# Altium PCB EPROM Emulator NG 2.PcbDoc (part 2 of 2)
Units mm, origin at the board's own origin, x right, y up, seen from the top; angles counter-clockwise.
Board outline 68.07 x 37.39 mm, 2 copper layers (Top Layer, Bottom Layer), stack 1.569 mm thick; 55 components, 111 nets, 358 pads, 137 vias.
Unrouted connection lines stored in the file: 1.
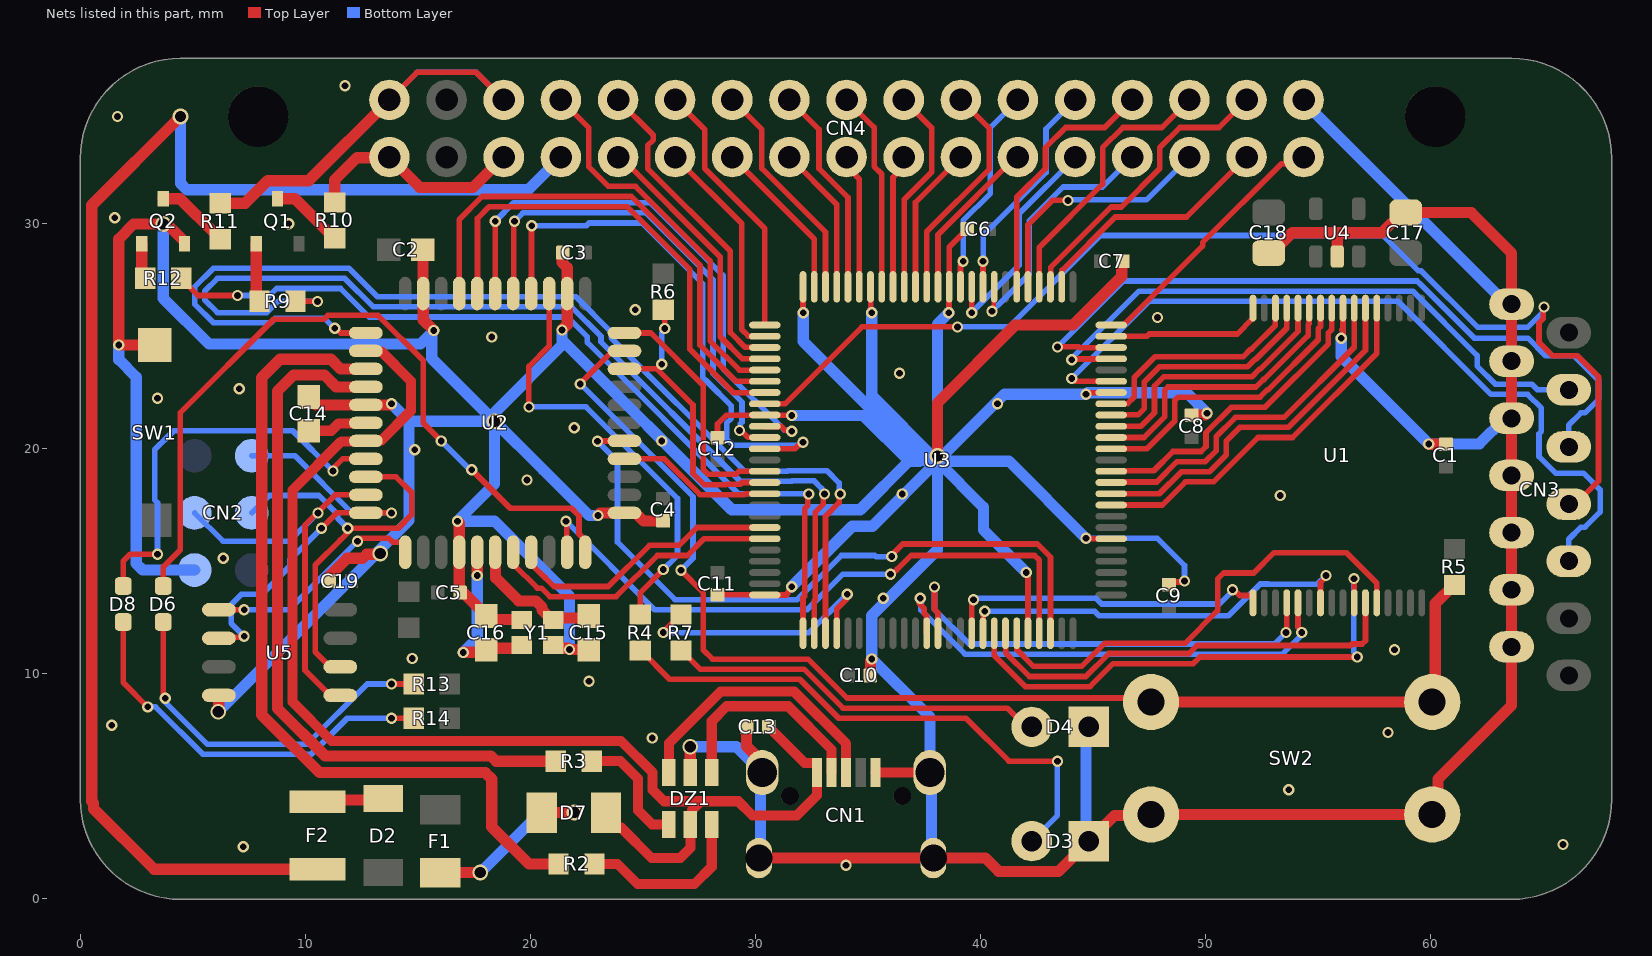
[diagram p2: the nets of this part, all layers, seen from the top]

## Via types
v1: diameter 0.5, hole 0.3, Top Layer to Bottom Layer, tented both sides, 121 vias
v2: diameter 0.7, hole 0.5, Top Layer to Bottom Layer, tented both sides, 16 vias

## Nets (pads, with @x,y where several pads share a name; then routed paths per layer and width w, separated by ;. In a path a pad name is that pad's centre, name@x,y a point inside that pad or via, vN(x,y) a via of type N, cw(c..) or ccw(c..) an arc to the next point about the centre after c; other vN are vias at no path point) (continued)
BUFF_E\_\R\E\S\E\T\: CN4.2 CN4.6 R11.2 | length 21.6
  Top Layer w0.25: CN4.2@13.741,35.492 14.966,36.717 17.596,36.717 CN4.6@18.821,35.492
  Top Layer w0.5: R11.2@6.223,30.899 7.327,30.899 8.327,31.899 10.148,31.899 CN4.2@13.741,35.492
  Bottom Layer w0.25: CN4.2@13.741,35.492 14.966,36.717 17.596,36.717 CN4.6@18.821,35.492
BUFF_E_RESET: CN4.1 CN4.5 R10.2 | length 10.1
  Top Layer w0.5: R10.2@11.303,30.937 11.303,31.937 12.291,32.925 13.715,32.925 CN4.1@13.741,32.952 15.091,31.602 17.454,31.602 18.804,32.952 CN4.5@18.821,32.952
CPLD_E\N\A\B\L\E\: R6.1 U2.31 U3.90 | length 13
  Top Layer w0.25: U2.31@24.19,23.533 25.636,23.533 ; v1(25.849,23.746) 25.636,23.533 ; R6.1@25.908,26.162 25.975,26.095 v1(25.975,25.333) ; U3.90@30.425,18.482 29.413,18.482 29.338,18.407 28.702,18.407 28.687,18.392 27.731,18.392 27.236,18.887 27.236,21.933 25.636,23.533
  Bottom Layer w0.25: v1(25.849,23.746) 25.849,25.14 25.975,25.266 v1(25.975,25.333)
D0: U1.21 U3.34 | length 16.6
  Top Layer w0.25: U3.34@45.825,17.482 48.1,17.482 49.13,18.512 50.38,18.512 52.351,20.482 53.886,20.482 57.63,24.226 U1.21@57.63,26.235
D1: U1.22 U3.35 | length 16.2
  Top Layer w0.25: U3.35@45.825,17.982 47.964,17.982 48.943,18.962 50.194,18.962 50.938,19.705 50.938,20.211 50.938,20.33 51.54,20.932 53.699,20.932 57.13,24.363 U1.22@57.13,26.235
D2: U1.23 U3.36 | length 15.4
  Top Layer w0.25: U3.36@45.825,18.482 46.389,18.482 46.414,18.507 47.852,18.507 48.757,19.412 50.008,19.412 50.488,19.892 50.488,20.397 50.488,20.516 51.354,21.382 53.513,21.382 56.63,24.499 U1.23@56.63,26.235
D3: U1.25 U3.37 | length 14
  Top Layer w0.25: U3.37@45.825,18.982 45.835,18.991 46.42,18.991 46.436,19.007 47.716,19.007 48.57,19.861 49.06,19.861 49.821,19.861 50.038,20.078 50.038,20.584 50.038,20.702 51.167,21.832 52.667,21.832 55.48,24.645 55.48,25.13 55.63,25.28 U1.25@55.63,26.235
D4: U1.26 U3.39 | length 13.2
  Top Layer w0.25: U3.39@45.825,19.982 47.418,19.982 48.65,21.214 48.65,22.135 48.797,22.282 52.445,22.282 52.777,22.614 52.813,22.614 55.03,24.831 55.03,25.317 55.13,25.417 U1.26@55.13,26.235
D5: U1.27 U3.40 | length 12.6
  Top Layer w0.25: U3.40@45.825,20.482 47.282,20.482 48.2,21.401 48.2,22.585 48.347,22.732 52.259,22.732 52.591,23.064 52.626,23.064 54.58,25.018 54.58,25.503 54.62,25.543 54.62,26.225 U1.27@54.63,26.235
D6: U1.28 U3.41 | length 11.8
  Top Layer w0.25: U3.41@45.825,20.982 47.145,20.982 47.75,21.587 47.75,22.776 48.156,23.182 52.072,23.182 52.405,23.514 52.44,23.514 54.13,25.204 U1.28@54.13,26.235
D7: U1.29 U3.42 | length 11
  Top Layer w0.25: U3.42@45.825,21.482 45.835,21.491 47.018,21.491 47.3,21.773 47.3,22.962 47.97,23.632 51.886,23.632 52.218,23.964 52.254,23.964 53.63,25.34 U1.29@53.63,26.235
D+: R3.2 U2.4 | length 31.9
  Top Layer w0.5: U2.4@12.69,22.733 11.375,22.733 10.846,23.261 9.474,23.261 8.762,22.549 8.762,8.445 10.885,6.321 18.252,6.321 18.477,6.096 R3.2@21.133,6.096
D-: R2.2 U2.3 | length 37.3
  Top Layer w0.5: U2.3@12.69,23.533 11.565,23.533 11.136,23.961 8.874,23.961 8.062,23.149 8.062,8.155 10.628,5.588 17.995,5.588 18.288,5.295 18.288,3.175 19.939,1.524 R2.2@21.26,1.524
DATA: U2.19 U3.94 | length 12.4
  Top Layer w0.25: U2.19@20.04,15.383 20.04,14.859 20.664,14.236 20.681,14.236 21.059,13.858 23.466,13.858 25.298,15.69 26.612,15.69 27.404,16.482 U3.94@30.425,16.482
DATA_LOAD: U2.27 U3.23 | length 31.1
  Top Layer w0.25: v1(22.987,20.32) 22.993,20.326 24.184,20.326 U2.27@24.19,20.333 ; v1(36.068,15.189) 36.068,15.257 36.56,15.748 42.545,15.748 43.125,15.168 U3.23@43.125,11.782
  Bottom Layer w0.25: v1(22.987,20.32) 23.876,19.431 23.876,15.836 26.435,13.277 31.87,13.277 33.833,15.24 35.318,15.24 35.369,15.189 v1(36.068,15.189)
E\_\\R\E\S\E\T\: R9.2 U3.2 | length 45.2
  Top Layer w0.25: R9.2@9.563,26.543 9.572,26.534 v1(10.541,26.534) ; U3.2@32.625,11.782 32.625,13.222 32.675,13.272 32.675,17.168 33.032,17.525 33.032,17.924 v1(33.08,17.972)
  Bottom Layer w0.25: v1(10.541,26.534) 10.532,26.543 8.793,26.543 8.285,26.035 6.097,26.035 5.53,26.602 5.53,26.992 6.097,27.559 11.754,27.559 13.024,26.289 21.84,26.289 23.145,24.984 23.145,24.734 29.337,18.542 31.623,18.542 31.638,18.557 32.623,18.557 32.955,18.225 32.955,18.165 33.08,18.04 v1(33.08,17.972)
E_A0: CN4.26 U3.59 | length 10
  Top Layer w0.25: U3.59@40.125,27.182 40.129,27.185 40.129,28.318 v1(40.132,28.321)
  Bottom Layer w0.25: v1(40.132,28.321) 40.132,29.464 42.926,32.258 42.926,34.197 CN4.26@44.221,35.492
E_A1: CN4.24 U3.61 | length 9.4
  Top Layer w0.25: U3.61@39.125,27.182 39.125,28.136 39.243,28.253 v1(39.243,28.321)
  Bottom Layer w0.25: v1(39.243,28.321) 39.243,30.125 40.456,31.338 40.456,34.267 CN4.24@41.681,35.492
E_A2: CN4.22 U3.64 | length 10
  Top Layer w0.25: U3.64@37.625,27.182 37.625,29.637 40.411,32.422 40.411,34.223 CN4.22@39.141,35.492
E_A3: CN4.20 U3.66 | length 9.3
  Top Layer w0.25: CN4.20@36.601,35.492 37.846,34.247 37.846,32.293 36.625,31.072 U3.66@36.625,27.182
E_A4: CN4.18 U3.68 | length 9
  Top Layer w0.25: CN4.18@34.061,35.492 35.286,34.267 35.286,32.535 35.625,32.196 U3.68@35.625,27.182
E_A5: CN4.16 U3.71 | length 9.4
  Top Layer w0.25: CN4.16@31.521,35.492 32.836,34.177 32.836,32.445 34.125,31.156 U3.71@34.125,27.182
E_A6: CN4.14 U3.73 | length 10
  Top Layer w0.25: CN4.14@28.981,35.492 30.296,34.177 30.296,32.91 30.296,32.445 33.125,29.616 U3.73@33.125,27.182
E_A7: CN4.12 U3.76 | length 11.7
  Top Layer w0.25: CN4.12@26.441,35.492 27.756,34.177 27.756,32.445 30.425,29.776 U3.76@30.425,25.482
E_A8: CN4.13 U3.74 | length 7.3
  Top Layer w0.25: CN4.13@28.981,32.952 32.625,29.308 U3.74@32.625,27.182
E_A9: CN4.15 U3.72 | length 6.6
  Top Layer w0.25: CN4.15@31.521,32.952 33.625,30.848 U3.72@33.625,27.182
E_A10: CN4.21 U3.65 | length 6.6
  Top Layer w0.25: U3.65@37.125,27.182 37.125,30.936 CN4.21@39.141,32.952
E_A11: CN4.17 U3.70 | length 6
  Top Layer w0.25: CN4.17@34.061,32.952 34.061,32.533 34.625,31.969 U3.70@34.625,27.182
E_A12: CN4.10 U3.78 | length 14.4
  Top Layer w0.25: CN4.10@23.901,35.492 25.472,33.922 25.472,33.715 25.216,33.459 25.216,32.445 28.898,28.763 28.898,25.151 29.558,24.491 30.416,24.491 U3.78@30.425,24.482
E_A13: CN4.11 U3.77 | length 10
  Top Layer w0.25: CN4.11@26.441,32.952 29.4,29.993 29.4,25.285 29.694,24.991 30.416,24.991 U3.77@30.425,24.982
E_A14: CN4.9 U3.79 | length 12.3
  Top Layer w0.25: CN4.9@23.901,32.952 24.012,32.952 28.448,28.516 28.448,24.965 29.431,23.982 U3.79@30.425,23.982
E_A15: CN4.8 U3.80 | length 17.1
  Top Layer w0.25: CN4.8@21.361,35.492 22.606,34.247 22.606,32.515 23.474,31.647 24.681,31.647 27.998,28.329 27.998,24.778 29.294,23.482 U3.80@30.425,23.482
E_C\S\: CN4.23 U3.63 | length 7.3
  Top Layer w0.25: U3.63@38.125,27.182 38.125,29.501 41.577,32.952 CN4.23@41.681,32.952
E_D0: CN4.28 U3.56 | length 11.5
  Top Layer w0.25: U3.56@41.625,27.182 41.625,31.164 42.906,32.445 42.906,33.369 43.804,34.267 45.536,34.267 CN4.28@46.761,35.492
E_D1: CN4.30 U3.54 | length 12.1
  Top Layer w0.25: U3.54@42.625,27.182 42.625,28.933 45.446,31.754 45.446,33.369 46.344,34.267 48.076,34.267 CN4.30@49.301,35.492
E_D2: CN4.32 U3.53 | length 13.2
  Top Layer w0.25: U3.53@43.125,27.182 43.135,27.191 43.135,28.05 45.82,30.734 46.276,30.734 47.986,32.445 47.986,33.369 48.884,34.267 50.616,34.267 CN4.32@51.841,35.492
E_D3: CN4.33 U3.50 | length 11.7
  Top Layer w0.25: U3.50@45.825,25.482 46.375,25.482 49.892,28.999 49.892,29.148 53.399,32.655 54.085,32.655 CN4.33@54.381,32.952
E_D4: CN4.31 U3.52 | length 11
  Top Layer w0.25: U3.52@43.625,27.182 43.635,27.191 43.635,27.913 46.006,30.284 49.174,30.284 CN4.31@51.841,32.952
E_D5: CN4.29 U3.55 | length 11.2
  Top Layer w0.25: U3.55@42.125,27.182 42.125,29.937 43.214,31.025 v1(43.905,31.025)
  Bottom Layer w0.25: v1(43.905,31.025) 43.928,31.048 47.397,31.048 CN4.29@49.301,32.952
E_D6: CN4.27 U3.58 | length 11.6
  Top Layer w0.2: v1(40.529,26.102) 40.529,26.183 40.607,26.262 40.607,27.164 U3.58@40.625,27.182
  Bottom Layer w0.25: v1(40.529,26.102) 40.992,26.565 42.189,27.762 42.189,30.122 43.689,31.623 45.432,31.623 CN4.27@46.761,32.952
E_D7: CN4.25 U3.60 | length 10
  Top Layer w0.25: v1(39.624,26.035) U3.60@39.625,27.181
  Bottom Layer w0.25: v1(39.624,26.035) 41.739,28.15 41.739,30.434 44.221,32.917 CN4.25@44.221,32.952
E_O\E\: CN4.19 U3.67 | length 6
  Top Layer w0.25: U3.67@36.125,27.182 36.125,32.057 36.601,32.533 CN4.19@36.601,32.952
E_RESET: R12.1 U3.1 | length 38.6
  Top Layer w0.25: R12.1@4.483,27.559 4.483,27.534 5.22,26.797 v1(6.985,26.797) ; U3.1@32.125,11.782 32.125,13.359 32.198,13.431 32.198,17.327 32.332,17.461 32.332,17.929 v1(32.38,17.977)
  Bottom Layer w0.25: v1(6.985,26.797) 8.41,26.797 8.722,27.109 11.568,27.109 12.838,25.839 21.654,25.839 22.537,24.956 22.537,24.706 29.261,17.982 32.375,17.982 v1(32.38,17.977)
E_VCC: CN4.7 F2.2 | length 64.1
  Top Layer w0.5: v2(4.445,34.752) 0.504,30.811 0.504,4.314 0.58,4.238 0.58,3.982 3.268,1.294 F2.2@10.541,1.294
  Bottom Layer w0.5: v2(4.445,34.752) 4.445,31.789 4.738,31.496 19.905,31.496 CN4.7@21.361,32.952
EN_A11: U2.41 U3.81 | length 22.8
  Top Layer w0.25: U2.41@16.84,26.883 16.84,30.175 17.862,31.197 24.494,31.197 27.548,28.143 27.548,24.592 29.158,22.982 U3.81@30.425,22.982
EN_A12: U2.40 U3.82 | length 21.8
  Top Layer w0.25: U2.40@17.64,26.883 17.653,26.895 17.653,30.226 18.174,30.747 24.308,30.747 27.098,27.957 27.098,24.405 29.022,22.482 U3.82@30.425,22.482
EN_A13: U2.39 U3.85 | length 24.7
  Top Layer w0.25: U2.39@18.44,26.883 v1(18.44,30.099) ; U3.85@30.425,20.982 30.435,20.972 31.157,20.972 31.318,20.811 31.575,20.811 v1(31.623,20.763)
  Bottom Layer w0.25: v1(18.44,30.099) 19.262,30.921 25.34,30.921 28.575,27.686 28.575,23.53 31.294,20.811 31.575,20.811 v1(31.623,20.763)
EN_A14: U2.38 U3.86 | length 22
  Top Layer w0.25: U2.38@19.24,26.883 19.272,26.915 19.272,30.067 v1(19.304,30.099) ; v1(29.304,20.799) 29.372,20.799 29.679,20.491 30.416,20.491 U3.86@30.425,20.482
  Bottom Layer w0.25: v1(19.304,30.099) 19.676,30.471 25.154,30.471 28.125,27.5 28.125,23.343 29.41,22.058 29.41,21.167 29.334,21.092 29.334,20.829 v1(29.304,20.799)
EN_A15: U2.37 U3.87 | length 24.7
  Top Layer w0.25: U2.37@20.04,26.883 20.053,26.896 20.053,29.883 v1(20.066,29.896) ; U3.87@30.425,19.982 31.764,19.982 32.053,20.271 v1(32.121,20.271)
  Bottom Layer w0.25: v1(20.066,29.896) 22.488,29.896 22.613,30.021 24.967,30.021 27.675,27.313 27.675,23.157 27.893,22.94 28.942,21.89 28.942,21.336 28.729,21.123 28.729,20.423 29.006,20.146 31.928,20.146 32.053,20.271 v1(32.121,20.271)
EN_RST: U2.18 U3.95 | length 13.4
  Top Layer w0.25: U2.18@19.24,15.383 19.24,14.859 20.314,13.786 20.495,13.786 20.873,13.408 23.818,13.408 25.65,15.24 26.988,15.24 27.73,15.982 U3.95@30.425,15.982
extPOWER: D2.2 F2.1 | length 3
  Top Layer w0.5: F2.1@10.541,4.294 10.614,4.367 13.389,4.367 D2.2@13.462,4.44
GND: C1.1 C2.1 C3.1 C4.1 C5.1 C6.1 C7.1 C8.1 C9.1 C10.1 C11.1 C12.1 C13.1 C14.2 C15.1 C16.1 C17.1 C18.1 C19.1 CN1.5 CN1.6 CN1.7 CN1.8 CN1.9 CN2.6 CN3.1 CN3.3 CN3.5 CN3.7 CN3.9 CN3.11 CN3.13 CN4.34 D3.1 D4.1 DZ1.2 Q2.2 SW1.1 SW2.1 SW2.2 U1.24 U2.5 U2.15 U2.23 U2.35 U2.43 U3.21 U3.31 U3.44 U3.62 U3.69 U3.75 U3.84 U3.100 U4.2 U5.4 Y1.2 Y1.4 | length 380.8
  Top Layer w0.25: C11.1@28.321,13.491 28.326,13.487 30.421,13.487 U3.100@30.425,13.482 31.389,13.482 31.45,13.543 31.45,13.612 31.623,13.784 v1(31.623,13.852) ; C12.1@28.321,20.472 28.321,21.082 28.721,21.482 U3.84@30.425,21.482 31.604,21.482 v1(31.623,21.463) ; U3.75@32.125,27.182 32.125,26.041 v1(32.131,26.035) ; U3.69@35.125,27.182 35.135,27.172 35.135,26.079 v1(35.179,26.035) ; v1(38.608,26.035) 38.617,26.044 38.617,27.173 U3.62@38.625,27.182 38.625,28.947 39.42,29.742 C6.1@39.42,29.752 ; v1(42.05,14.478) 42.05,14.41 42.125,14.335 U3.21@42.125,11.782 ; v1(44.704,16.002) 44.715,15.991 45.816,15.991 U3.31@45.825,15.982 ; v1(44.704,22.412) 44.772,22.412 44.841,22.482 U3.44@45.825,22.482 ; C9.1@48.387,13.945 48.501,14.058 49.034,14.058 v1(49.082,14.106) ; v1(56.055,24.892) 56.055,24.94 56.134,25.019 56.134,26.231 U1.24@56.13,26.235 56.13,25.323 56.08,25.273
  Top Layer w0.45: CN1.5@35.341,5.588 CN1.7@37.766,5.588
  Top Layer w0.5: SW1.1@3.302,24.601 v1(1.709,24.601) 1.709,29.312 2.37,29.972 v2(3.683,29.972) 3.721,29.934 3.898,29.934 4.633,29.199 Q2.2@4.633,29.099 ; v2(6.134,8.295) 6.145,8.307 6.145,9.005 U5.4@6.157,9.017 ; C14.2@10.16,22.286 10.16,22.261 10.488,21.933 13.777,21.933 v1(13.829,21.985) ; C19.1@11.062,14.097 11.112,14.147 11.112,14.377 11.847,15.113 12.547,15.113 12.723,15.289 13.297,15.289 v2(13.335,15.327) ; C2.1@15.216,28.829 15.231,28.814 15.231,26.892 U2.43@15.24,26.883 15.24,25.709 v1(15.712,25.237) ; v1(16.764,16.764) 16.84,16.688 U2.15@16.84,15.383 16.84,13.769 18.07,12.538 18.07,12.398 19.583,12.398 Y1.2@19.62,12.361 ; Y1.4@21.02,11.261 21.17,11.111 21.69,11.111 v1(21.74,11.061) C15.1@22.606,11.061 ; v1(21.415,25.264) 21.415,25.273 21.64,25.498 21.64,28.042 21.422,28.26 21.422,28.674 C3.1@21.45,28.702 ; v1(23.01,17.02) 23.114,17.123 24.181,17.123 U2.23@24.19,17.133 24.679,17.133 25.035,16.777 C4.1@25.908,16.777 ; DZ1.2@27.117,5.588 v2(27.117,6.731) ; C13.1@29.616,7.62 29.616,6.76 30.316,6.061 CN1.6@30.316,5.588 ; CN1.8@30.166,1.788 CN1.9@37.916,1.788 40.234,1.788 40.832,1.19 43.481,1.19 D3.1@44.831,2.54 45.967,3.676 47.551,3.676 SW2.2@47.598,3.723 SW2.1@60.098,3.723 60.351,3.976 60.351,5.298 63.627,8.574 CN3.13@63.627,11.176 CN3.11@63.627,13.716 CN3.9@63.627,16.256 CN3.7@63.627,18.796 CN3.5@63.627,21.336 CN3.3@63.627,23.876 CN3.1@63.627,26.416 63.627,28.691 61.827,30.491 C17.1@58.922,30.491 58.772,30.491 57.872,29.591 56.055,29.591 ; C10.1@35.116,9.906 35.125,9.915 35.125,10.575 35.182,10.632 v1(35.182,10.634) ; v2(38.1,19.657) 38.1,22.019 41.562,25.482 44.125,25.482 46.292,27.649 46.292,28.271 C7.1@46.342,28.321 ; C8.1@49.403,21.477 49.458,21.477 49.463,21.482 50.004,21.482 v1(50.085,21.562) ; C18.1@52.826,28.691 52.976,28.691 53.876,29.591 56.055,29.591 ; U4.2@55.874,28.531 55.874,29.41 56.055,29.591 ; v1(59.944,20.193) 59.957,20.18 C1.1@60.706,20.18
  Bottom Layer w0.25: v1(44.704,16.002) 47.879,16.002 49.082,14.799 v1(49.082,14.106)
  Bottom Layer w0.5: v1(1.709,24.601) 1.709,23.945 2.478,23.176 2.478,14.886 2.771,14.593 CN2.6@5.08,14.593 ; v2(3.683,29.972) 3.683,26.67 5.715,24.638 15.113,24.638 v1(15.712,25.237) ; v2(6.134,8.295) 13.127,15.289 13.297,15.289 v2(13.335,15.327) ; v2@13.237,15.425 14.605,16.792 14.605,21.209 ; v1(13.829,21.985) 14.605,21.209 ; v1@15.621,25.146 15.621,24.003 v2(18.415,21.209) ; v1(21.415,25.264) 21.415,24.813 ; v1(21.74,11.061) 21.74,13.439 18.415,16.764 v1(16.764,16.764) 18.415,18.415 v2(18.415,21.209) ; v1(23.01,17.02) 23.009,17.018 22.606,17.018 20.571,19.053 v2(18.415,21.209) ; v2(27.117,6.731) 29.173,6.731 29.859,6.045 29.877,6.045 30.316,5.606 CN1.6@30.316,5.588 30.241,5.513 30.241,1.863 CN1.8@30.166,1.788 ; v1(31.623,13.852) 34.312,16.541 35.21,16.541 v2@38.1,19.431 ; v1(31.623,21.463) 34.798,21.463 36.83,19.431 ; v1(32.131,26.035) 32.131,24.765 37.427,19.469 ; v1(35.179,26.035) 35.179,22.352 38.062,19.469 37.3,19.469 ; 37.3,19.431 36.83,19.431 ; CN1.9@37.916,1.788 37.841,1.863 37.841,5.513 CN1.7@37.766,5.588 37.766,8.051 v1(35.182,10.634) 35.182,12.576 38.1,15.494 v2@38.1,19.431 ; v2(38.1,19.657) 38.1,25.527 v1(38.608,26.035) ; v1(42.05,14.478) 40.151,16.377 40.151,17.38 v2@38.1,19.431 ; v1(44.704,16.002) 41.275,19.431 v2@38.1,19.431 ; D3.1@44.831,2.54 44.704,2.667 44.704,7.493 D4.1@44.831,7.62 ; v1(50.085,21.562) 49.168,22.479 44.771,22.479 v1(44.704,22.412) 41.081,22.412 38.213,19.544 v2@38.1,19.431 ; CN4.34@54.381,35.492 54.381,35.427 63.392,26.416 CN3.1@63.627,26.416 ; v1(56.055,24.892) 56.055,24.082 v1(59.944,20.193) 62.184,20.193 63.327,21.336 CN3.5@63.627,21.336 ; 14.605,21.209 v2(18.415,21.209) ; v2(18.415,21.209) 18.453,21.247 18.453,21.628 21.415,24.59 21.415,24.813 ; 21.415,24.813 28.956,17.272 34.671,17.272 36.83,19.431
  other v1: 34.041,1.463 7.239,2.286 65.913,2.388 53.721,4.826 25.418,7.124 58.135,7.372 1.397,7.691 22.606,9.652 14.757,10.661 58.42,11.049 35.687,13.335 6.35,15.113 53.34,17.907 36.541,17.972 19.849,18.6 14.859,19.939 25.849,20.333 21.955,20.919 40.767,21.982 3.429,22.225 7.059,22.656 36.414,23.345 18.288,24.957 47.879,25.822 24.665,26.162 9.263,29.987 1.524,30.249 1.651,34.752 11.762,36.121
GT_A11: U1.1 U3.16 | length 14.8
  Top Layer w0.25: U3.16@39.625,11.782 39.625,13.125 39.7,13.2 v1(39.7,13.268) ; v1(51.219,13.716) 51.287,13.716 51.543,13.46 52.107,13.46 52.13,13.437 U1.1@52.13,13.135
  Bottom Layer w0.25: v1(39.7,13.268) 39.768,13.268 39.835,13.335 45.151,13.335 45.405,13.081 50.637,13.081 51.219,13.663 v1(51.219,13.716)
GT_A12: U1.12 U3.20 | length 21.4
  Top Layer w0.25: U3.20@41.625,11.782 41.635,11.772 41.635,11.05 42.379,10.307 44.509,10.307 45.534,11.332 49.101,11.332 50.557,12.787 50.557,14.197 50.821,14.462 52.162,14.462 53.067,15.367 56.273,15.367 57.63,14.01 U1.12@57.63,13.135
GT_A13: U1.4 U3.13 | length 20.9
  Top Layer w0.25: v1(37.973,13.843) 37.973,12.845 38.125,12.693 U3.13@38.125,11.782 ; v1(53.594,11.811) 53.63,11.847 U1.4@53.63,13.135
  Bottom Layer w0.25: v1(37.973,13.843) 37.973,12.845 39.515,11.303 53.086,11.303 v1(53.594,11.811)
GT_A14: U1.11 U3.19 | length 19.6
  Top Layer w0.25: U3.19@41.125,11.782 41.135,11.772 41.135,10.914 42.192,9.857 44.695,9.857 45.72,10.882 49.288,10.882 49.642,11.236 56.464,11.236 56.531,11.303 56.984,11.303 57.13,11.449 U1.11@57.13,13.135
GT_A15: U1.7 U3.17 | length 18.3
  Top Layer w0.25: U3.17@40.125,11.782 40.135,11.791 40.135,12.627 40.2,12.692 v1(40.2,12.76) ; U1.7@55.14,13.145 U1.7@55.13,13.135 55.13,14.041 55.372,14.283 v1(55.372,14.351)
  Bottom Layer w0.25: v1(40.2,12.76) 45.09,12.76 45.288,12.562 51.043,12.562 52.451,13.97 52.806,13.97 52.813,13.963 54.984,13.963 v1(55.372,14.351)
GT_A16: U1.10 U3.18 | length 22.9
  Top Layer w0.25: U3.18@40.625,11.782 40.625,10.787 42.006,9.407 44.881,9.407 45.906,10.432 49.474,10.432 49.77,10.728 v1(56.769,10.728) ; v1(56.616,14.21) 56.623,14.204 56.623,13.142 U1.10@56.63,13.135
  Bottom Layer w0.25: v1(56.616,14.21) 56.616,10.948 56.769,10.796 v1(56.769,10.728)
LD_BTN: R5.1 SW2.3 SW2.4 U2.32 | length 56.1
  Top Layer w0.25: v1(22.225,22.86) 22.225,22.899 23.659,24.333 U2.32@24.19,24.333 ; v1(26.699,14.582) 27.686,13.595 27.686,11.049 28.101,10.634 32.354,10.634 34.087,8.901 47.42,8.901 SW2.4@47.598,8.723
  Top Layer w0.5: SW2.4@47.598,8.723 SW2.3@60.098,8.723 60.23,8.855 60.23,13.1 61.062,13.932 R5.1@61.087,13.932
  Bottom Layer w0.25: v1(22.225,22.86) 27.232,17.853 27.232,15.116 v1(26.699,14.582)
LED_Ready: R7.2 U3.4 | length 12
  Top Layer w0.25: v1(25.908,11.811) 25.908,11.845 26.674,12.611 R7.2@26.699,12.611 ; U3.4@33.625,11.782 33.625,12.855 34.043,13.273 34.043,13.467 v1(34.091,13.515)
  Bottom Layer w0.25: v1(25.908,11.811) 32.387,11.811 v1(34.091,13.515)
LED_RUN: R4.2 U2.36 | length 19.6
  Top Layer w0.25: v1(19.939,21.844) 19.939,23.64 20.84,24.541 U2.36@20.84,26.883 ; R4.2@24.892,12.611 24.892,13.589 v1(25.914,14.611)
  Bottom Layer w0.25: v1(19.939,21.844) 22.479,21.844 26.543,17.78 26.543,15.24 v1(25.914,14.611)
MISO: CN2.1 U2.11 U5.2 | length 19.1
  Top Layer w0.25: U5.2@6.157,11.557 6.203,11.603 7.233,11.603 v1(7.279,11.648) ; v1(10.716,16.45) 11.399,17.133 v1(13.829,17.133)
  Bottom Layer w0.25: v1(7.279,11.648) 6.704,12.223 6.704,13.065 7.156,13.518 8.065,13.518 9.309,14.761 9.309,15.043 v1(10.716,16.45) ; CN2.1@7.62,19.673 9.537,19.673 12.077,17.133 v1(13.829,17.133)
MOSI: CN2.4 U2.10 U5.5 | length 18.3
  Top Layer w0.25: U5.5@11.557,9.017 11.107,9.017 9.987,10.137 9.987,16.591 11.329,17.933 U2.10@12.69,17.933
  Bottom Layer w0.25: CN2.4@5.08,17.133 6.338,15.875 9.304,15.875 v1(10.562,17.133)
NetC14_1: C14.1 U2.6 | length 2.7
  Top Layer w0.45: C14.1@10.16,20.786 11.155,20.786 11.483,21.114 12.671,21.114 U2.6@12.69,21.133
NetCN1_2: CN1.2 DZ1.1 | length 9.7
  Top Layer w0.45: DZ1.1@28.067,5.588 28.067,7.874 28.727,8.534 31.471,8.534 33.391,6.614 CN1.2@33.391,5.588
NetCN1_3: CN1.3 DZ1.3 | length 12.4
  Top Layer w0.45: DZ1.3@26.167,5.588 26.167,6.893 28.458,9.184 31.74,9.184 34.041,6.884 CN1.3@34.041,5.588
NetD3_2: D3.2 R4.1 | length 24.6
  Top Layer w0.25: R4.1@24.892,11.011 24.917,11.011 26.194,9.734 31.981,9.734 33.714,8.001 39.37,8.001 41.275,6.096 v1(43.434,6.096)
  Bottom Layer w0.25: D3.2@42.291,2.54 43.434,3.683 v1(43.434,6.096)
NetD4_2: D4.2 R7.1 | length 17
  Top Layer w0.25: R7.1@26.699,11.011 26.724,11.011 27.55,10.184 32.167,10.184 33.901,8.451 41.206,8.451 42.1,7.556 42.164,7.62 D4.2@42.291,7.62
NetD6_2: D6.2 R13.2 | length 16.5
  Top Layer w0.25: D6.2@3.683,12.281 3.683,9.05 3.775,8.958 v1(3.775,8.89) ; v1(13.829,9.525) R13.2@14.821,9.525
  Bottom Layer w0.25: v1(3.775,8.89) 3.775,8.709 5.631,6.853 10.079,6.853 12.751,9.525 v1(13.829,9.525)
NetD7_1: D7.1 F1.1 | length 8.5
  Top Layer w0.5: F1.1@16.002,1.14 16.004,1.142 17.779,1.142 v2(17.78,1.143) ; D7.1@20.508,3.81 v2(21.971,3.81)
  Bottom Layer w0.5: v2(17.78,1.143) 20.447,3.81 v2(21.971,3.81)
NetD8_2: D8.2 R14.2 | length 17.6
  Top Layer w0.25: D8.2@1.905,12.281 1.905,9.594 v1(2.99,8.509) ; v1(13.829,8.001) R14.2@14.821,8.001
  Bottom Layer w0.25: v1(2.99,8.509) 3.339,8.509 5.445,6.403 10.266,6.403 11.864,8.001 v1(13.829,8.001)
NetDZ1_4: DZ1.4 R3.1 | length 5.4
  Top Layer w0.45: R3.1@22.733,6.096 24.015,6.096 24.792,5.319 24.792,3.91 25.414,3.288 DZ1.4@26.167,3.288
NetDZ1_6: DZ1.6 R2.1 | length 7.8
  Top Layer w0.45: R2.1@22.86,1.524 23.876,1.524 24.765,0.635 27.305,0.635 28.067,1.397 DZ1.6@28.067,3.288
NetQ1_1: Q1.1 R9.1 | length 2.6
  Top Layer w0.5: Q1.1@7.813,29.099 7.813,26.693 R9.1@7.963,26.543
NetQ1_3: Q1.3 R10.1 | length 3.3
  Top Layer w0.5: Q1.3@8.763,31.099 9.541,31.099 11.078,29.562 11.078,29.537 11.278,29.337 R10.1@11.303,29.337
NetQ2_1: Q2.1 R12.2 | length 1.6
  Top Layer w0.5: Q2.1@2.733,29.099 2.733,27.709 R12.2@2.883,27.559
NetQ2_3: Q2.3 R11.1 | length 3.3
  Top Layer w0.5: Q2.3@3.683,31.099 4.423,31.099 5.998,29.524 5.998,29.499 6.198,29.299 R11.1@6.223,29.299
RAM_C\S\: U1.30 U3.43 | length 10
  Top Layer w0.25: U3.43@45.825,21.982 45.835,21.991 46.557,21.991 46.85,22.285 46.85,23.149 47.784,24.082 51.7,24.082 52.032,24.414 52.067,24.414 53.12,25.467 53.12,26.225 U1.30@53.13,26.235
RAM_W\E\: U1.5 U3.12 | length 21.8
  Top Layer w0.25: v1(37.338,13.335) 37.302,13.299 37.302,13.092 37.523,12.87 37.523,12.659 37.616,12.566 37.616,11.791 U3.12@37.625,11.782 ; U1.5@54.13,13.135 54.13,12.043 54.294,11.879 v1(54.294,11.811)
  Bottom Layer w0.25: v1(37.338,13.335) 37.372,13.301 37.372,12.81 39.329,10.853 53.449,10.853 54.229,11.633 54.229,11.746 v1(54.294,11.811)
RAM_W\E\_CTRL: U2.26 U3.91 | length 6.9
  Top Layer w0.25: U2.26@24.19,19.533 25.954,19.533 27.545,17.942 29.509,17.942 29.549,17.982 U3.91@30.425,17.982
RESET: U1.32 U3.49 | length 7.1
  Top Layer w0.25: U3.49@45.825,24.982 47.411,24.982 47.517,25.088 51.433,25.088 52.114,25.769 52.114,26.219 U1.32@52.13,26.235
RXLED: D8.1 U2.8 | length 18.2
  Top Layer w0.25: D8.1@1.905,13.881 1.905,14.986 2.212,15.293 v1(3.429,15.293) ; v1(11.234,18.992) 11.282,19.039 11.282,19.156 11.659,19.533 U2.8@12.69,19.533
  Bottom Layer w0.25: v1(3.429,15.293) 3.429,17.586 3.302,17.713 3.302,19.939 4.149,20.786 9.44,20.786 v1(11.234,18.992)
SCK: CN2.3 U2.9 U5.6 | length 19.2
  Top Layer w0.25: U5.6@11.557,10.287 11.107,10.287 10.437,10.957 10.437,14.806 11.563,15.932 v1@11.984,16.353 ; v1(11.886,16.45) v1@11.984,16.353 ; U2.9@12.69,18.733 14.033,18.733 14.732,18.034 14.732,17.056 14.128,16.452 12.133,16.452 12.131,16.45 12.081,16.45 v1@11.984,16.353
  Bottom Layer w0.25: CN2.3@7.62,17.133 8.394,17.907 10.601,17.907 11.442,17.066 11.442,16.895 v1(11.886,16.45)
SCLK: U2.21 U3.22 | length 28.4
  Top Layer w0.25: v1(21.59,16.764) 21.615,16.739 21.615,15.408 U2.21@21.64,15.383 ; v1(36.018,14.401) 36.085,14.401 36.298,14.614 36.307,14.614 36.932,15.24 42.417,15.24 42.625,15.031 U3.22@42.625,11.782
  Bottom Layer w0.25: v1(21.59,16.764) 25.527,12.827 32.309,12.827 33.884,14.401 v1(36.018,14.401)
Spare-1: U2.33 U3.89 | length 11.1
  Top Layer w0.25: U2.33@24.19,25.133 25.362,25.133 27.686,22.809 27.686,19.074 27.903,18.857 29.151,18.857 29.276,18.982 U3.89@30.425,18.982
Spare-2: U2.1 U3.3 | length 49.1
  Top Layer w0.25: v1(11.303,25.338) 11.371,25.338 11.576,25.133 U2.1@12.69,25.133 ; U3.3@33.125,11.782 33.125,16.982 33.732,17.589 33.732,17.924 v1(33.78,17.972)
  Bottom Layer w0.25: v1(11.303,25.338) 10.86,25.781 8.667,25.781 8.471,25.585 5.911,25.585 5.08,26.416 5.08,27.178 5.911,28.009 11.941,28.009 13.211,26.739 22.026,26.739 23.595,25.171 23.595,24.921 29.523,18.992 31.437,18.992 31.451,19.007 33.19,19.007 33.732,18.465 33.732,18.02 v1(33.78,17.972)
SS: U2.12 U5.1 | length 10
  Top Layer w0.25: U5.1@6.157,12.827 v1(7.279,12.827) ; v1(12.319,15.875) 12.446,16.002 13.715,16.002 13.89,15.827 14.302,15.827 14.44,15.688 U2.12@14.44,15.383
  Bottom Layer w0.25: v1(7.279,12.827) 9.271,12.827 v1(12.319,15.875)
TCK: CN3.6 U3.48 | length 33.1
  Top Layer w0.25: v1(43.434,24.511) 44.391,24.511 44.42,24.482 U3.48@45.825,24.482
  Bottom Layer w0.25: v1(43.434,24.511) 46.366,27.443 59.425,27.443 59.571,27.297 61.967,24.901 64.352,24.901 65.132,24.121 66.402,24.121 67.492,23.031 67.492,22.181 66.892,21.581 66.707,21.581 66.167,21.041 CN3.6@66.167,20.066
TDI: CN3.10 U3.45 | length 35.5
  Top Layer w0.25: v1(44.069,23.112) 44.137,23.112 44.262,22.987 45.82,22.987 U3.45@45.825,22.982
  Bottom Layer w0.25: v1(44.069,23.112) 47.5,26.543 58.574,26.543 62.716,22.401 64.34,22.401 64.952,21.789 64.952,20.756 64.842,20.646 64.842,19.641 65.582,18.901 66.824,18.901 67.564,18.161 67.564,17.173 66.892,16.501 66.707,16.501 66.167,15.961 CN3.10@66.167,14.986
TDO: CN3.8 U3.83 | length 51.2
  Top Layer w0.25: U3.83@30.425,21.982 30.435,21.991 31.338,21.991 34.747,25.4 v1(38.989,25.4) ; v1(65.069,26.284) 65.03,26.245 65.03,25.759 64.842,25.571 64.842,24.721 65.442,24.121 66.557,24.121 67.492,23.186 67.492,18.551 66.467,17.526 CN3.8@66.167,17.526
  Bottom Layer w0.25: v1(38.989,25.4) 41.275,25.4 45.339,29.464 57.912,29.464 59.483,27.893 59.611,27.893 62.113,25.391 64.352,25.391 65.024,26.063 65.024,26.238 v1(65.069,26.284)
TMS: CN3.4 U3.47 | length 27.3
  Top Layer w0.25: v1(44.069,23.936) 44.105,23.972 45.816,23.972 U3.47@45.825,23.982
  Bottom Layer w0.25: v1(44.069,23.936) 44.069,24.003 47.059,26.993 59.23,26.993 62.092,24.131 62.092,23.661 62.902,22.851 64.526,22.851 64.771,22.606 CN3.4@66.167,22.606
TXLED: D6.1 U2.22 | length 34.6
  Top Layer w0.25: D6.1@3.683,13.881 3.683,14.734 4.445,15.496 4.445,21.59 8.598,25.743 10.831,25.743 11.001,25.913 13.234,25.913 15.24,23.906 15.24,21.133 v1(16.04,20.333) ; v1(17.399,19.05) 19.11,17.339 21.828,17.339 22.165,17.002 22.165,16.182 22.44,15.906 U2.22@22.44,15.383
  Bottom Layer w0.25: v1(16.04,20.333) 17.323,19.05 v1(17.399,19.05)
VBUS: C13.2 CN1.1 D7.2 DZ1.5 U2.2 U2.7 | length 57.7
  Top Layer w0.45: U2.2@12.69,24.333 12.71,24.314 13.374,24.314 14.69,22.998 14.69,21.668 13.374,20.352 12.71,20.352 12.671,20.314 11.602,20.314 9.437,18.148 9.437,8.724 11.165,6.996 24.034,6.996 25.442,5.588 25.442,4.812 25.941,4.313 27.591,4.313 ; D7.2@23.368,3.81 23.368,3.58 23.813,3.135 24.043,3.135 25.39,1.788 26.67,1.788 27.117,2.235 DZ1.5@27.117,3.288 27.192,3.363 27.192,3.914 27.591,4.313 ; C13.2@30.607,7.62 30.607,7.61 32.204,6.013 32.741,6.013 CN1.1@32.741,5.588 32.741,4.571 31.852,3.683 29.881,3.683 29.251,4.313 27.591,4.313
XTAL1: C15.2 U2.17 Y1.1 | length 6.2
  Top Layer w0.5: U2.17@18.44,15.383 18.45,15.373 18.45,14.252 19.491,13.211 20.256,13.211 20.52,12.947 20.52,12.811 20.97,12.361 Y1.1@21.02,12.361 21.12,12.461 22.506,12.461 C15.2@22.606,12.561
XTAL2: C16.2 U2.16 Y1.3 | length 7.5
  Top Layer w0.5: v1(17.018,10.922) 17.03,10.934 18.034,10.934 18.211,11.111 19.47,11.111 Y1.3@19.62,11.261 ; v1(17.64,14.351) U2.16@17.64,15.383
  Bottom Layer w0.5: v1(17.018,10.922) 17.64,11.544 v1(17.64,14.351)
pads on no net: CN1.4 CN1.10 CN1.11 CN3.12 CN3.14 CN4. CN4.3 CN4.4 U1.9 U2.28 U2.29 U2.30 U2.42 U3.6 U3.7 U3.8 U3.9 U3.10 U3.11 U3.96 U3.97 U3.99 U4.4

## Polygon pours and split planes (outlines as drawn)
GND on Top Layer "Top Layer - GND" (solid, remove dead copper, pour order 0): 0,4.397 0,32.893 cw(c4.445,32.893) 4.445,37.338 63.627,37.338 cw(c63.627,32.893) 68.072,32.893 68.072,4.397 cw(c63.627,4.397) 63.627,-0.048 4.445,-0.048 cw(c4.445,4.397)
GND on Bottom Layer "Bottom Layer - GND" (solid, remove dead copper, pour order 1): 0,4.397 0,32.893 cw(c4.445,32.893) 4.445,37.338 63.627,37.338 cw(c63.627,32.893) 68.072,32.893 68.072,4.397 cw(c63.627,4.397) 63.627,-0.048 4.445,-0.048 cw(c4.445,4.397)

## Silkscreen, mask and mechanical layers (free items; w line width, h text height)
Top Overlay:
  lines w0.1: 2.794,32.004 2.794,36.576 ; 65.278,32.004 65.278,36.576
  text "JLCJLCJLCJLC" at 47.867,5.573 h1
Bottom Overlay:
  drawing of 12 lines, arcs and shapes, not listed
  text "EPROM Emulator NG II" at 61.705,27.904 h8
  text "based on https://github.com/Kris-Sekula/EPROM-EMU-NG)" at 55.166,26.295 h1.8
  text "Dirk Wouters" at 57.248,12.233 h3
  text "Version: '.Version' / Revision: '.Revision' / Date: '.Print_Date'" at 20.828,3.122 h2
Board:
  circle w0.1: c4.445,4.397 r1.75
  circle w0.1: c63.627,4.397 r1.75
  lines w0.1: 0,4.397 ccw(c4.445,4.397) 4.445,-0.048 63.627,-0.048 ccw(c63.627,4.397) 68.072,4.397 68.072,32.893 ccw(c63.627,32.893) 63.627,37.338 4.445,37.338 ccw(c4.445,32.893) 0,32.893 0,4.397

## Text inside footprints (layer, text, board x,y; h text height)
D3: Top Overlay "+" at 41.698,5.225 h2 r180; Top Assembly "+" at 41.698,5.225 h2 r180
D4: Top Overlay "+" at 41.725,6.368 h2 r180; Top Assembly "+" at 41.725,6.368 h2 r180
F2: Top Overlay "C" at 9.879,3.36 h2 r270; Top Assembly "C" at 9.879,3.36 h2 r270